# Altium PCB Slave.PcbDoc (part 1 of 11) (continued)
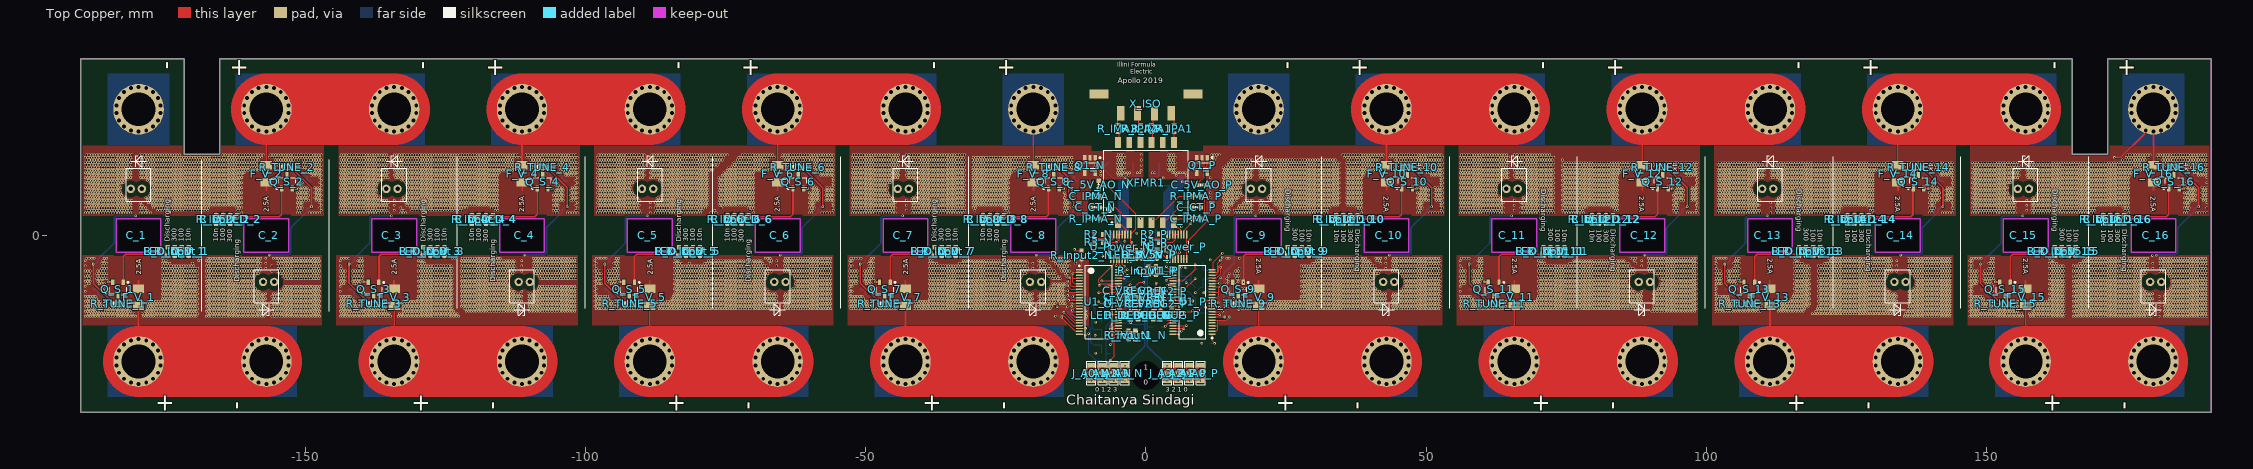
[diagram p0: Top Copper view]
## Components (designator, comment, footprint, x,y, rotation, side; value= is the part's Value field where it differs from the comment) (continued)
LED_D_12 "Discharging" LED-0603 83.3,2.85 r90 top (schematic designator LED_D)
LED_D_13 "Discharging" LED-0603 116.5,-2.85 r270 top (schematic designator LED_D)
LED_D_14 "Discharging" LED-0603 128.9,2.85 r90 top (schematic designator LED_D)
LED_D_15 "Discharging" LED-0603 162.1,-2.85 r270 top (schematic designator LED_D)
LED_D_16 "Discharging" LED-0603 174.5,2.85 r90 top (schematic designator LED_D)
LED_DEBUG_N "DEBUG" LED-0603 -2.7,-14.2 r90 top (schematic designator LED_DEBUG)
LED_DEBUG_P "DEBUG" LED-0603 2.6,-14.2 r270 top (schematic designator LED_DEBUG)
PTC_1 "PRF15BC102RB6RC" NTC-0603 -183.5,-11.2 r0 bottom (schematic designator PTC)
PTC_2 "PRF15BC102RB6RC" NTC-0603 -153.1,11.2 r180 bottom (schematic designator PTC)
PTC_3 "PRF15BC102RB6RC" NTC-0603 -137.9,-11.2 r0 bottom (schematic designator PTC)
PTC_4 "PRF15BC102RB6RC" NTC-0603 -107.5,11.2 r180 bottom (schematic designator PTC)
PTC_5 "PRF15BC102RB6RC" NTC-0603 -92.3,-11.2 r0 bottom (schematic designator PTC)
PTC_6 "PRF15BC102RB6RC" NTC-0603 -61.9,11.2 r180 bottom (schematic designator PTC)
PTC_7 "PRF15BC102RB6RC" NTC-0603 -46.7,-11.2 r0 bottom (schematic designator PTC)
PTC_8 "PRF15BC102RB6RC" NTC-0603 -16.3,11.2 r180 bottom (schematic designator PTC)
PTC_9 "PRF15BC102RB6RC" NTC-0603 16.3,-11.2 r0 bottom (schematic designator PTC)
PTC_10 "PRF15BC102RB6RC" NTC-0603 46.7,11.2 r180 bottom (schematic designator PTC)
PTC_11 "PRF15BC102RB6RC" NTC-0603 61.9,-11.2 r0 bottom (schematic designator PTC)
PTC_12 "PRF15BC102RB6RC" NTC-0603 92.3,11.2 r180 bottom (schematic designator PTC)
PTC_13 "PRF15BC102RB6RC" NTC-0603 107.5,-11.2 r0 bottom (schematic designator PTC)
PTC_14 "PRF15BC102RB6RC" NTC-0603 137.9,11.2 r180 bottom (schematic designator PTC)
PTC_15 "PRF15BC102RB6RC" NTC-0603 153.1,-11.2 r0 bottom (schematic designator PTC)
PTC_16 "PRF15BC102RB6RC" NTC-0603 183.5,11.2 r180 bottom (schematic designator PTC)
Q1_N "5V LDO" SOT23-5 -10,12.5 r270 top (schematic designator Q1)
Q1_P "5V LDO" SOT23-5 10,12.5 r270 top (schematic designator Q1)
Q2_N "NMOS-SOT23" SOT23 -1.9,-13.7 r270 bottom (schematic designator Q2)
Q2_P "NMOS-SOT23" SOT23 1.8,-9.7 r90 bottom (schematic designator Q2)
Q3_N "NPN BJT SOT223-4" SOT223 -4,4 r90 bottom (schematic designator Q3)
Q3_P "NPN BJT SOT223-4" SOT223 4,4 r90 bottom (schematic designator Q3)
Q_D_1 "IRLR110TRPBF" TO252 -180.341,-7.371 r90 bottom (schematic designator Q_D)
Q_D_2 "IRLR110TRPBF" TO252 -156.259,7.371 r270 bottom (schematic designator Q_D)
Q_D_3 "IRLR110TRPBF" TO252 -134.741,-7.371 r90 bottom (schematic designator Q_D)
Q_D_4 "IRLR110TRPBF" TO252 -110.659,7.371 r270 bottom (schematic designator Q_D)
Q_D_5 "IRLR110TRPBF" TO252 -89.141,-7.371 r90 bottom (schematic designator Q_D)
Q_D_6 "IRLR110TRPBF" TO252 -65.059,7.371 r270 bottom (schematic designator Q_D)
Q_D_7 "IRLR110TRPBF" TO252 -43.541,-7.371 r90 bottom (schematic designator Q_D)
Q_D_8 "IRLR110TRPBF" TO252 -19.459,7.371 r270 bottom (schematic designator Q_D)
Q_D_9 "IRLR110TRPBF" TO252 22.659,-7.471 r90 bottom (schematic designator Q_D)
Q_D_10 "IRLR110TRPBF" TO252 43.541,7.371 r270 bottom (schematic designator Q_D)
Q_D_11 "IRLR110TRPBF" TO252 65.059,-7.371 r90 bottom (schematic designator Q_D)
Q_D_12 "IRLR110TRPBF" TO252 89.141,7.371 r270 bottom (schematic designator Q_D)
Q_D_13 "IRLR110TRPBF" TO252 110.659,-7.371 r90 bottom (schematic designator Q_D)
Q_D_14 "IRLR110TRPBF" TO252 134.741,7.371 r270 bottom (schematic designator Q_D)
Q_D_15 "IRLR110TRPBF" TO252 156.259,-7.371 r90 bottom (schematic designator Q_D)
Q_D_16 "IRLR110TRPBF" TO252 180.341,7.371 r270 bottom (schematic designator Q_D)
Q_S_1 "BSS84-7-F" SOT23 -183.375,-9.575 r270 top (schematic designator Q_S)
Q_S_2 "BSS84-7-F" SOT23 -153.225,9.575 r90 top (schematic designator Q_S)
Q_S_3 "BSS84-7-F" SOT23 -137.775,-9.575 r270 top (schematic designator Q_S)
Q_S_4 "BSS84-7-F" SOT23 -107.625,9.575 r90 top (schematic designator Q_S)
Q_S_5 "BSS84-7-F" SOT23 -92.175,-9.575 r270 top (schematic designator Q_S)
Q_S_6 "BSS84-7-F" SOT23 -62.025,9.575 r90 top (schematic designator Q_S)
Q_S_7 "BSS84-7-F" SOT23 -46.575,-9.575 r270 top (schematic designator Q_S)
Q_S_8 "BSS84-7-F" SOT23 -16.425,9.575 r90 top (schematic designator Q_S)
Q_S_9 "BSS84-7-F" SOT23 16.425,-9.575 r270 top (schematic designator Q_S)
Q_S_10 "BSS84-7-F" SOT23 46.575,9.575 r90 top (schematic designator Q_S)
Q_S_11 "BSS84-7-F" SOT23 62.025,-9.575 r270 top (schematic designator Q_S)
Q_S_12 "BSS84-7-F" SOT23 92.175,9.575 r90 top (schematic designator Q_S)
Q_S_13 "BSS84-7-F" SOT23 107.625,-9.575 r270 top (schematic designator Q_S)
Q_S_14 "BSS84-7-F" SOT23 137.775,9.575 r90 top (schematic designator Q_S)
Q_S_15 "BSS84-7-F" SOT23 153.225,-9.575 r270 top (schematic designator Q_S)
Q_S_16 "BSS84-7-F" SOT23 183.375,9.575 r90 top (schematic designator Q_S)
R1_N "200" RES-0603#1 -0.75,9.65 r90 bottom (schematic designator R1)
R1_P "200" RES-0603#1 0.75,9.65 r90 bottom (schematic designator R1)
R2_N "1.2K" RES-0603#2 -8.5,0.184 r0 top value=? (schematic designator R2)
R2_P "1.2K" RES-0603#2 1.5,0.25 r0 top value=? (schematic designator R2)
R3_N "802" RES-0603#2 -8.5,-1.25 r180 top value=? (schematic designator R3)
R3_P "802" RES-0603#2 1.5,-1.25 r180 top value=? (schematic designator R3)
R4_N "1K" RES-0603#1 -7.15,-15.5 r0 bottom (schematic designator R4)
R4_P "1K" RES-0603#1 9.5,-9.25 r180 bottom (schematic designator R4)
R5_N "1K" RES-0603#1 -7.15,-18.25 r0 bottom (schematic designator R5)
R5_P "1K" RES-0603#1 9.5,-6.25 r180 bottom (schematic designator R5)
R6_N "1K" RES-0603#1 -7.15,-21 r0 bottom (schematic designator R6)
R6_P "1K" RES-0603#1 5.5,-10 r180 bottom (schematic designator R6)
R7_N "1K" RES-0603#1 -7.15,-23.75 r0 bottom (schematic designator R7)
R7_P "1K" RES-0603#1 5.5,-7.25 r180 bottom (schematic designator R7)
R8_N "200" RES-0603#1 -2,9.65 r90 bottom (schematic designator R8)
R8_P "200" RES-0603#1 2,9.65 r90 bottom (schematic designator R8)
R_5V_N "500" RES-0603#1 -0.593,-3.424 r270 top (schematic designator R_5V)
R_5V_P "500" RES-0603#1 1.889,-3.443 r270 top (schematic designator R_5V)
R_D_LED_1 "300" RES-0603#1 -173.25,-2.85 r270 top (schematic designator R_D_LED)
R_D_LED_2 "300" RES-0603#1 -163.35,2.85 r90 top (schematic designator R_D_LED)
R_D_LED_3 "300" RES-0603#1 -127.65,-2.85 r270 top (schematic designator R_D_LED)
R_D_LED_4 "300" RES-0603#1 -117.75,2.85 r90 top (schematic designator R_D_LED)
R_D_LED_5 "300" RES-0603#1 -82.05,-2.85 r270 top (schematic designator R_D_LED)
R_D_LED_6 "300" RES-0603#1 -72.15,2.85 r90 top (schematic designator R_D_LED)
R_D_LED_7 "300" RES-0603#1 -36.45,-2.85 r270 top (schematic designator R_D_LED)
R_D_LED_8 "300" RES-0603#1 -26.55,2.85 r90 top (schematic designator R_D_LED)
R_D_LED_9 "300" RES-0603#1 26.55,-2.85 r270 top (schematic designator R_D_LED)
R_D_LED_10 "300" RES-0603#1 36.45,2.85 r90 top (schematic designator R_D_LED)
R_D_LED_11 "300" RES-0603#1 72.15,-2.85 r270 top (schematic designator R_D_LED)
R_D_LED_12 "300" RES-0603#1 82.05,2.85 r90 top (schematic designator R_D_LED)
R_D_LED_13 "300" RES-0603#1 117.75,-2.85 r270 top (schematic designator R_D_LED)
R_D_LED_14 "300" RES-0603#1 127.65,2.85 r90 top (schematic designator R_D_LED)
R_D_LED_15 "300" RES-0603#1 163.35,-2.85 r270 top (schematic designator R_D_LED)
R_D_LED_16 "300" RES-0603#1 173.25,2.85 r90 top (schematic designator R_D_LED)
R_DEBUG_N "RES 500" RES-0603#1 -1.4,-14.25 r90 top (schematic designator R_DEBUG)
R_DEBUG_P "RES 500" RES-0603#1 1.3,-14.2 r270 top (schematic designator R_DEBUG)
R_DEBUG_PU_N "100K" RES-0603#1 -4.765,-13.117 r90 bottom (schematic designator R_DEBUG_PU)
R_DEBUG_PU_P "100K" RES-0603#1 4.75,-12.021 r90 bottom (schematic designator R_DEBUG_PU)
R_IMA1 "22" RES-0603#2 1,19.05 r270 top
R_IMA2 "22" RES-0603#2 -5,19.05 r270 top
R_Input1_N "RES 100" RES-0603#1 -1.9,-17.8 r270 top (schematic designator R_Input1)
R_Input1_P "RES 100" RES-0603#1 0.42,-6.31 r90 top (schematic designator R_Input1)
R_Input2_N "RES 100" RES-0603#1 -11.5,-3.5 r90 top (schematic designator R_Input2)
R_Input2_P "RES 100" RES-0603#1 10.75,-19.25 r180 bottom (schematic designator R_Input2)
R_Input_1 "100" RES-0603#1 -172,-2.85 r90 top (schematic designator R_Input)
R_Input_2 "100" RES-0603#1 -164.6,2.85 r270 top (schematic designator R_Input)
R_Input_3 "100" RES-0603#1 -126.4,-2.85 r90 top (schematic designator R_Input)
R_Input_4 "100" RES-0603#1 -119,2.85 r270 top (schematic designator R_Input)
R_Input_5 "100" RES-0603#1 -80.8,-2.85 r90 top (schematic designator R_Input)
R_Input_6 "100" RES-0603#1 -73.4,2.85 r270 top (schematic designator R_Input)
R_Input_7 "100" RES-0603#1 -35.2,-2.85 r90 top (schematic designator R_Input)
R_Input_8 "100" RES-0603#1 -27.8,2.85 r270 top (schematic designator R_Input)
R_Input_9 "100" RES-0603#1 27.8,-2.85 r90 top (schematic designator R_Input)
R_Input_10 "100" RES-0603#1 35.2,2.85 r270 top (schematic designator R_Input)
R_Input_11 "100" RES-0603#1 73.4,-2.85 r90 top (schematic designator R_Input)
R_Input_12 "100" RES-0603#1 80.8,2.85 r270 top (schematic designator R_Input)
R_Input_13 "100" RES-0603#1 119,-2.85 r90 top (schematic designator R_Input)
R_Input_14 "100" RES-0603#1 126.4,2.85 r270 top (schematic designator R_Input)
R_Input_15 "100" RES-0603#1 164.6,-2.85 r90 top (schematic designator R_Input)
R_Input_16 "100" RES-0603#1 172,2.85 r270 top (schematic designator R_Input)
R_IPA1 "22" RES-0603#2 5,19.05 r270 top
R_IPA2 "22" RES-0603#2 -1,19.05 r270 top
R_IPMA_N "402" RES-0603#1 -9,3 r180 top (schematic designator R_IPMA)
R_IPMA_P "402" RES-0603#1 9,7 r0 top (schematic designator R_IPMA)
R_SDI_PU_N "2K" RES-0603#1 -1.4,-6.25 r0 bottom (schematic designator R_SDI_PU)
R_SDI_PU_P "2K" RES-0603#1 2,-16.25 r180 bottom (schematic designator R_SDI_PU)
R_SDO_PU_N "2K" RES-0603#1 -1.4,-7.7 r0 bottom (schematic designator R_SDO_PU)
R_SDO_PU_P "2K" RES-0603#1 2,-14.9 r180 bottom (schematic designator R_SDO_PU)
R_Temp1_N "RES 100" RES-0603#1 -7.15,-22.25 r0 bottom (schematic designator R_Temp1)
R_Temp1_P "RES 100" RES-0603#1 5.5,-5.75 r180 bottom (schematic designator R_Temp1)
R_Temp2_N "RES 100" RES-0603#1 -7.15,-19.5 r0 bottom (schematic designator R_Temp2)
R_Temp2_P "RES 100" RES-0603#1 5.5,-8.5 r180 bottom (schematic designator R_Temp2)
R_Temp3_N "RES 100" RES-0603#1 -7.15,-16.75 r0 bottom (schematic designator R_Temp3)
R_Temp3_P "RES 100" RES-0603#1 9.5,-4.75 r180 bottom (schematic designator R_Temp3)
R_Temp4_N "RES 100" RES-0603#1 -7.15,-14 r0 bottom (schematic designator R_Temp4)
R_Temp4_P "RES 100" RES-0603#1 9.5,-7.75 r180 bottom (schematic designator R_Temp4)
R_TUNE_1 "4K" RES-0603#1 -183.325,-12.2 r0 top (schematic designator R_TUNE)
R_TUNE_2 "4K" RES-0603#1 -153.275,12.2 r180 top (schematic designator R_TUNE)
R_TUNE_3 "4K" RES-0603#1 -137.725,-12.2 r0 top (schematic designator R_TUNE)
R_TUNE_4 "4K" RES-0603#1 -107.675,12.2 r180 top (schematic designator R_TUNE)
R_TUNE_5 "4K" RES-0603#1 -92.125,-12.2 r0 top (schematic designator R_TUNE)
R_TUNE_6 "4K" RES-0603#1 -62.075,12.2 r180 top (schematic designator R_TUNE)
R_TUNE_7 "4K" RES-0603#1 -46.525,-12.2 r0 top (schematic designator R_TUNE)
R_TUNE_8 "4K" RES-0603#1 -16.475,12.2 r180 top (schematic designator R_TUNE)
R_TUNE_9 "4K" RES-0603#1 16.475,-12.2 r0 top (schematic designator R_TUNE)
R_TUNE_10 "4K" RES-0603#1 46.525,12.2 r180 top (schematic designator R_TUNE)
R_TUNE_11 "4K" RES-0603#1 62.075,-12.2 r0 top (schematic designator R_TUNE)
R_TUNE_12 "4K" RES-0603#1 92.125,12.2 r180 top (schematic designator R_TUNE)
R_TUNE_13 "4K" RES-0603#1 107.675,-12.2 r0 top (schematic designator R_TUNE)
R_TUNE_14 "4K" RES-0603#1 137.725,12.2 r180 top (schematic designator R_TUNE)
R_TUNE_15 "4K" RES-0603#1 153.275,-12.2 r0 top (schematic designator R_TUNE)
R_TUNE_16 "4K" RES-0603#1 183.325,12.2 r180 top (schematic designator R_TUNE)
U1_N "LT-LTC6811-2-G-48" SSOP-48N -8.4,-11.85 r0 top (schematic designator U1)
U1_P "LT-LTC6811-2-G-48" SSOP-48N 8.3,-11.85 r180 top (schematic designator U1)
U_Power_N "IC-MSOP16_LTC6820" MSOP16 -4.5,-2 r90 top (schematic designator U_Power)
U_Power_P "IC-MSOP16_LTC6820" MSOP16 5.5,-2 r90 top (schematic designator U_Power)
X_ISO "Molex - Micro-Fit 3.0 Series connector,  3.00mm (0.118\") pitch header, 4 positions." 43650-0424 0,25.2 r180 top
XFMR1 "CTCM_XFMR-HM2112NL" HM2112NL 0,9.423 r90 top

## Footprints (in the part's own frame and the unit in brackets; to place one, negate y for a bottom-side part, rotate by r counter-clockwise, add the part's x,y. Pads: shape width x height; smd on the part's side, far side on the other; paste and mask are expansions set on the pad)
43650-0424 [mm]
  rect 1.27x2.54 smd: P$1(4.5,3.43) P$2(1.5,3.43) P$3(-1.5,3.43) P$4(-4.5,3.43)
  rect 3.43x1.65 smd: TAB1(8.39,0) TAB2(-8.39,0)
  body extent -9.82,-2.47 9.83,4.1, height 9.95
CAP-0603 [mm]
  rect 0.8x0.75 smd: 1(-0.75,0) 2(0.75,0)
  silkscreen extent -0.3,-0.2 0.3,0.2, body extent -0.8,-0.4 0.8,0.42, height 0.81
CAPCP3216X16N [mm] "Chip Capacitor, 2-Leads, Body 3.20x1.60mm, IPC Medium Density"
  rect 1.2x1.2 smd: 1(-1.5,0) 2(1.5,0)
  silkscreen extent -2.4,0.9 -2.2,1.1, body extent -1.7,-0.9 1.7,0.9, height 1.7
"DPDT Solder" [mm]
  rrect20% 0.8x1.4 smd mask+0: 1(-1.4,0) 2(1.4,0)
  rrect20% 1.3x1.3 smd rot 45 mask+0: 3(0,0)
  Top Copper region: -1.75,0.7 -0.45,0.7 -1,0.15 -1,-0.175 -0.475,-0.7 -1.75,-0.7
  Top Copper region: 1.75,-0.7 0.45,-0.7 1,-0.15 1,0.175 0.475,0.7 1.75,0.7
  silkscreen extent -2.1,-0.8 2.1,0.8
FUSE1206 [mm]
  rect 1.52x2.03 smd: 1(-1.52,0) 2(1.52,0)
  body extent -1.7,-0.9 1.7,0.9, height 1.17
HM2112NL [mm]
  rect 1.9x1.02 smd: 1(-7.15,5) 2(-7.15,3) 3(-7.15,1) 4(-7.15,-1) 5(-7.15,-3) 6(-7.15,-5) 7(7.15,-5) 8(7.15,-3) 9(7.15,-1) 10(7.15,1) 11(7.15,3) 12(7.15,5)
  silkscreen extent -7.27,-7.5 5.8,7.5, body extent -7.75,-7.5 7.75,7.5, height 3.45
LED-0603 [mm]
  rect 0.8x0.75 smd: A(-0.75,0) K(0.75,0)
  silkscreen extent 0,-0.4 0.8,0.4, body extent -0.8,-0.4 0.8,0.4, height 0.53
Li1x7pVTC6T [mm]
  round 9 / inner round 7.5 / far side round 13 hole 6: +(0,22.5)
  round 9 / inner round 7 / far side round 13 hole 6: -(0,-22.5)
  round 1.5 hole 0.8: T+(1.4,-8.3) T-(-0.6,-8.3)
  Bottom Copper region: -5.5,-28.85 5.5,-28.85 5.5,-16.15 -5.5,-16.15
  Bottom Copper region: -5.5,16.15 5.5,16.15 5.5,28.85 -5.5,28.85
  Keep-Out Layer board cut-out: -4,3 4,3 4,-3 -4,-3
  Keep-Out Layer region: -4,-3 4,-3 4,3 -4,3
  silkscreen extent -2.2,-14.25 2.2,-6.1, body extent -2.2,-12.05 2.2,-6.15, height 2.93
MSOP16 [mil]
  rect 55x11 smd: 1(-86,68.95) 2(-86,49.25) 3(-86,29.55) 4(-86,9.85) 5(-86,-9.85) 6(-86,-29.55) 7(-86,-49.25) 8(-86,-68.95) 9(86,-68.95) 10(86,-49.25) 11(86,-29.55) 12(86,-9.85) 13(86,9.85) 14(86,29.55) 15(86,49.25) 16(86,68.95)
  silkscreen extent -39,-82 39,82, body extent -99,-81 100,82, height 43
NTC-0603 [mm]
  rect 0.8x0.75 smd: 1(-0.75,0) 2(0.75,0)
  silkscreen extent -0.8,-0.4 0.8,0.4, body extent -0.8,-0.4 0.8,0.42, height 0.81
RES-0603#1 [mm]
  rect 0.8x0.75 smd: 1(-0.75,0) 2(0.75,0)
  body extent -0.8,-0.4 0.8,0.4, height 0.44
RES-0603#2 [mm] "Chip Resistor, 2-Leads, Body 1.58x0.85mm, IPC Medium Density"
  rect 0.5x0.9 smd: 1(-0.75,0) 2(0.75,0)
  body extent -0.82,-0.48 0.82,0.48, height 0.5
SMB [mm]
  rect 2.159x2.743 smd: A(2.21,0) K(-2.21,0)
  silkscreen extent -3.9,-1.5 -3.9,1.5, body extent -2.79,-1.97 2.8,1.97, height 2.5
SOT23 [mm] "SOT23, 3-Leads, Body 2.90x2.37mm, Pitch 0.95mm, IPC Medium Density"
  rect 1x0.6 smd: 1(-1.2,0.95) 2(-1.2,-0.95) 3(1.2,0)
  silkscreen extent -1.32,-1.55 0.7,1.92, body extent -1.32,-1.52 1.32,1.53, height 1.11
SOT23-5 [mm]
  rect 1x0.6 smd: 1(-1.375,0.95) 2(-1.375,0) 3(-1.375,-0.95) 4(1.375,-0.95) 5(1.375,0.95)
  silkscreen extent -1.5,-1.55 0.5,1.93, body extent -1.5,-1.53 1.5,1.53, height 1.45
SOT223 [mm] "SOT223, 4-Leads, Body 6.50x7.00mm (avg), Pitch 2.30mm, IPC Medium Density"
  rect 2.15x1 smd: 1(-2.925,2.3) 2(-2.925,0) 3(-2.925,-2.3)
  rect 2.15x3.25 smd: 4(2.925,0)
  silkscreen extent -3.05,-3.35 1.55,3.48, body extent -3.5,-3.35 3.5,3.35, height 1.8
SSOP-48N [mm]
  oval 1.25x0.25 smd: 1(-3.5,5.75) 2(-3.5,5.25) 3(-3.5,4.75) 4(-3.5,4.25) 5(-3.5,3.75) 6(-3.5,3.25) 7(-3.5,2.75) 8(-3.5,2.25) 9(-3.5,1.75) 10(-3.5,1.25) 11(-3.5,0.75) 12(-3.5,0.25) 13(-3.5,-0.25) 14(-3.5,-0.75) 15(-3.5,-1.25) 16(-3.5,-1.75) 17(-3.5,-2.25) 18(-3.5,-2.75) 19(-3.5,-3.25) 20(-3.5,-3.75) 21(-3.5,-4.25) 22(-3.5,-4.75) 23(-3.5,-5.25) 24(-3.5,-5.75) 25(3.5,-5.75) 26(3.5,-5.25) 27(3.5,-4.75) 28(3.5,-4.25) 29(3.5,-3.75) 30(3.5,-3.25) 31(3.5,-2.75) 32(3.5,-2.25) 33(3.5,-1.75) 34(3.5,-1.25) 35(3.5,-0.75) 36(3.5,-0.25) 37(3.5,0.25) 38(3.5,0.75) 39(3.5,1.25) 40(3.5,1.75) 41(3.5,2.25) 42(3.5,2.75) 43(3.5,3.25) 44(3.5,3.75) 45(3.5,4.25) 46(3.5,4.75) 47(3.5,5.25) 48(3.5,5.75)
  silkscreen extent -3.62,-6.55 2.4,6.55, body extent -3.9,-6.55 3.9,6.55, height 2
TO252 [mm]
  rect 1.2x2.2 smd: 1(-2.279,-7.409) 3(2.321,-7.409)
  rect 6.35x7.62 smd: 2(0.021,-0.009)
  silkscreen extent -3.2,-5.1 3.3,0.6, body extent -3.22,-7.29 3.28,1.41, height 2.3

## Part data
C_1 C_2 C_3 C_4 C_5 C_6 C_7 C_8 C_9 C_10 C_11 C_12 C_13 C_14 C_15 C_16: library part Li1x7pVTC6T
C_5V_AO_N C_5V_AO_P C_CT_N C_CT_P C_IPMA_N C_IPMA_P C_Temp1_N C_Temp1_P C_Temp2_N C_Temp2_P C_Temp3_N C_Temp3_P C_Temp4_N C_Temp4_P C_V1_N C_V1_P C_V_1 C_V_2 C_V_3 C_V_4 C_V_5 C_V_6 C_V_7 C_V_8 C_V_9 C_V_10 C_V_11 C_V_12 C_V_13 C_V_14 C_V_15 C_V_16 C_VREF1_N C_VREF1_P C_VREF2_N C_VREF2_P C_VREG1_N C_VREG1_P C_VREG2_N C_VREG2_P: library part CAP-0603, "CAP-0603"
D1_N D1_P: library part DIODE-SMB
F_V_1 F_V_2 F_V_3 F_V_4 F_V_5 F_V_6 F_V_7 F_V_8 F_V_9 F_V_10 F_V_11 F_V_12 F_V_13 F_V_14 F_V_15 F_V_16: library part FUSE-1206
J_A0_N J_A0_P J_A1_N J_A1_P J_A2_N J_A2_P J_A3_N J_A3_P: library part "DPDT Solder"
LED_5V_N LED_5V_P LED_D_1 LED_D_2 LED_D_3 LED_D_4 LED_D_5 LED_D_6 LED_D_7 LED_D_8 LED_D_9 LED_D_10 LED_D_11 LED_D_12 LED_D_13 LED_D_14 LED_D_15 LED_D_16 LED_DEBUG_N LED_DEBUG_P: library part LED-0603, "LED-0603"
PTC_1 PTC_2 PTC_3 PTC_4 PTC_5 PTC_6 PTC_7 PTC_8 PTC_9 PTC_10 PTC_11 PTC_12 PTC_13 PTC_14 PTC_15 PTC_16: library part NTC-0603
Q1_N Q1_P: library part LDO-SOT23-TPS7B69
Q3_N Q3_P: library part NPN_SOT223-4, "BCP54,115"
Q_D_1 Q_D_2 Q_D_3 Q_D_4 Q_D_5 Q_D_6 Q_D_7 Q_D_8 Q_D_9 Q_D_10 Q_D_11 Q_D_12 Q_D_13 Q_D_14 Q_D_15 Q_D_16: library part NMOS-TO252, Package=TO252, DeviceSetName=DMP10H400SK3-13, GateName_1=G$1, LibraryName=IFE_Transistors, SymbolName_1=LABELED-PMOS
Q_S_1 Q_S_2 Q_S_3 Q_S_4 Q_S_5 Q_S_6 Q_S_7 Q_S_8 Q_S_9 Q_S_10 Q_S_11 Q_S_12 Q_S_13 Q_S_14 Q_S_15 Q_S_16: library part PMOS-SOT23
R1_N R1_P R4_N R4_P R5_N R5_P R6_N R6_P R7_N R7_P R8_N R8_P R_5V_N R_5V_P R_D_LED_1 R_D_LED_2 R_D_LED_3 R_D_LED_4 R_D_LED_5 R_D_LED_6 R_D_LED_7 R_D_LED_8 R_D_LED_9 R_D_LED_10 R_D_LED_11 R_D_LED_12 R_D_LED_13 R_D_LED_14 R_D_LED_15 R_D_LED_16 R_DEBUG_N R_DEBUG_P R_DEBUG_PU_N R_DEBUG_PU_P R_IMA1 R_IMA2 R_Input1_N R_Input1_P R_Input2_N R_Input2_P R_Input_1 R_Input_2 R_Input_3 R_Input_4 R_Input_5 R_Input_6 R_Input_7 R_Input_8 R_Input_9 R_Input_10 R_Input_11 R_Input_12 R_Input_13 R_Input_14 R_Input_15 R_Input_16 R_IPA1 R_IPA2 R_IPMA_N R_IPMA_P R_SDI_PU_N R_SDI_PU_P R_SDO_PU_N R_SDO_PU_P R_Temp1_N R_Temp1_P R_Temp2_N R_Temp2_P R_Temp3_N R_Temp3_P R_Temp4_N R_Temp4_P R_TUNE_1 R_TUNE_2 R_TUNE_3 R_TUNE_4 R_TUNE_5 R_TUNE_6 R_TUNE_7 R_TUNE_8 R_TUNE_9 R_TUNE_10 R_TUNE_11 R_TUNE_12 R_TUNE_13 R_TUNE_14 R_TUNE_15 R_TUNE_16: library part RES-0603
R2_N R2_P R3_N R3_P: library part RES_0603, "RES SMD 0603", Package=0603, Company=IFE, Part=RES_0603
X_ISO: library part POS4_MF43650-0424, Package=43650-0424, DeviceName=43650-0424, DeviceSetName=HEADER_POS4_?, GateName_1=G$1, LibraryName="MOLEX Micro-Fit", SymbolName_1=HEADER_POS4

## Free pads (board coordinates)
  round 3 hole 5.105 unplated: 2(0,-25)

## Via types
v1: diameter 0.45, hole 0.297, Top Copper to Bottom Copper, tented both sides, 23326 vias
v2: diameter 1, hole 0.7, Top Copper to Bottom Copper, 576 vias
v3: diameter 0.45, hole 0.2, Top Copper to Bottom Copper, 259 vias

## Nets (pads, with @x,y where several pads share a name; then routed paths per layer and width w, separated by ;. In a path a pad name is that pad's centre, name@x,y a point inside that pad or via, vN(x,y) a via of type N, cw(c..) or ccw(c..) an arc to the next point about the centre after c; other vN are vias at no path point)
5V_AO_N: C_5V_AO_N.1 Q1_N.5 U_Power_N.6 U_Power_N.7 U_Power_N.8 U_Power_N.9 | length 19.8
  Top Copper w0.102: Q1_N.5@-9.05,11.125 -9.05,10.934 -8.801,10.685 -8.678,10.685 -1.821,3.828 -1.821,1.112 -2.516,0.417 -2.66,0.417 -2.749,0.328 U_Power_N.9@-2.749,0.184 U_Power_N.8@-2.749,-4.184 U_Power_N.7@-3.249,-4.184 U_Power_N.6@-3.749,-4.184
5V_AO_P: C_5V_AO_P.1 Q1_P.5 U_Power_P.6 U_Power_P.7 U_Power_P.8 U_Power_P.9 | length 19.2
  Top Copper w0.102: U_Power_P.6@6.251,-4.184 U_Power_P.7@6.751,-4.184 U_Power_P.8@7.251,-4.184 7.251,-1.181 ; U_Power_P.9@7.251,0.184 7.251,-1.181 ; Q1_P.5@10.95,11.125 10.95,2.517 7.251,-1.181
5V_N: C_VREG1_N.2 C_VREG2_N.2 J_A0_N.2 J_A1_N.2 J_A2_N.2 J_A3_N.2 LED_5V_N.A LED_DEBUG_N.A Q3_N.3 R4_N.2 R5_N.2 R6_N.2 R7_N.2 R_DEBUG_PU_N.1 R_SDI_PU_N.2 R_SDO_PU_N.2 U1_N.37 | length 61.9
  Top Copper w0.102: J_A0_N.2@-9.75,-23.15 -9.65,-23.25 v3(-3.75,-23.25) ; U1_N.37@-4.9,-11.6 -4.44,-11.6 -4.372,-11.531 -4.372,-11.522 -3.099,-10.249 -3.099,-10.224 -2.775,-9.9 C_VREG2_N.2@-2.75,-9.9 -2.725,-9.9 -2.401,-9.576 -2.401,-9.551 -1.215,-8.365 v3(-0.4,-8.365) ; v3(-2.75,-15.552) -2.75,-15 LED_DEBUG_N.A@-2.7,-14.95 ; v3(-2.057,-2.896) -1.836,-2.674 LED_5V_N.A@-1.821,-2.674 -1.821,-2.699 LED_5V_N.A@-1.52,-3
  Bottom Copper w0.102: R7_N.2@-6.4,-23.75 -6.425,-23.75 -6.749,-23.426 -6.749,-23.401 -7.087,-23.063 -7.087,-20.94 ; R6_N.2@-6.4,-21 -7.027,-21 -7.087,-20.94 ; R5_N.2@-6.4,-18.25 -7.063,-18.25 -7.087,-18.273 ; R5_N.2@-6.051,-17.926 R5_N.2@-6.051,-17.901 ; R_DEBUG_PU_N.1@-4.765,-13.867 -4.626,-14.006 -4.297,-14.006 v3(-2.75,-15.552) ; -0.25,-15.85 -2.453,-15.85 v3(-2.75,-15.552) ; -7.087,-20.94 -7.087,-18.273 ; -7.087,-18.273 -7.087,-16.187 -6.749,-15.849 -6.749,-15.824 -6.425,-15.5 R4_N.2@-6.4,-15.5 -6.348,-15.552 v3(-2.75,-15.552)
  Bottom Copper w0.254: Q3_N.3@-6.3,1.075 -6.579,0.796 -2.887,-2.896 v3(-2.057,-2.896) -1.62,-2.896 -0.25,-4.266 -0.25,-15.85 -0.25,-19.767 v3@-3.742,-23.258
5V_P: C_VREG1_P.2 C_VREG2_P.2 J_A0_P.2 J_A1_P.2 J_A2_P.2 J_A3_P.2 LED_5V_P.A LED_DEBUG_P.A Q3_P.3 R4_P.2 R5_P.2 R6_P.2 R7_P.2 R_DEBUG_PU_P.1 R_SDI_PU_P.2 R_SDO_PU_P.2 U1_P.37 | length 59.9
  Top Copper w0.102: LED_5V_P.A@0.613,-2.718 LED_5V_P.A@0.613,-2.693 ; LED_DEBUG_P.A@2.6,-13.45 2.65,-13.5 v3(3.1,-13.5) ; LED_DEBUG_P.A@2.65,-13.4 C_VREG2_P.2@2.65,-12.2 4.166,-12.2 4.266,-12.1 U1_P.37@4.8,-12.1 ; v3(3.75,-23.25) 9.65,-23.25 J_A0_P.2@9.75,-23.15
  Bottom Copper w0.102: 0.25,-16.25 R_SDI_PU_P.2@1.25,-16.25 ; 0.25,-15 0.35,-14.9 R_SDO_PU_P.2@1.25,-14.9 ; 0.25,-13.4 0.35,-13.5 v3(3.1,-13.5) 4.021,-13.5 4.401,-13.121 4.426,-13.121 4.75,-12.796 R_DEBUG_PU_P.1@4.75,-12.771 ; 0.25,-9.4 4.15,-9.4 4.401,-9.651 4.401,-9.676 4.725,-10 R6_P.2@4.75,-10 4.775,-10 5.099,-9.676 5.099,-9.651 5.4,-9.35 5.4,-7.9 ; R7_P.2@4.75,-7.25 4.775,-7.25 5.099,-7.574 5.099,-7.599 5.4,-7.9 ; R4_P.2@8.75,-9.25 8.725,-9.25 8.401,-8.926 8.401,-8.901 8.1,-8.6 8.1,-7.8 ; R5_P.2@9.099,-5.901 9.099,-5.926 8.775,-6.25 R5_P.2@8.75,-6.25 8.725,-6.25 8.401,-6.574 8.401,-6.599 8.1,-6.9 8.1,-7.8 ; 5.4,-7.9 8,-7.9 8.1,-7.8
  Bottom Copper w0.254: v3(0.584,-2.565) 1.041,-2.108 1.7,-2.108 ; Q3_P.3@1.7,1.075 1.7,-2.108 ; C_VREG1_P.2@2.25,-3.599 C_VREG1_P.2@2.225,-3.599 ; v3(3.75,-23.25) 0.25,-19.75 0.25,-16.25 0.25,-15 0.25,-13.4 0.25,-9.4 0.25,-5.599 1.977,-3.872 1.977,-3.847 C_VREG1_P.2@2.225,-3.599 ; 1.7,-2.108 1.7,-3.049 1.977,-3.326 1.977,-3.351 C_VREG1_P.2@2.225,-3.599
CSB_N: U1_N.41 U_Power_N.5 | length 8.1
  Top Copper w0.102: v3(-6.6,-9.2) -6.2,-9.6 U1_N.41@-4.9,-9.6 ; U_Power_N.5@-4.25,-4.184 -4.25,-5.15 v3(-3.9,-5.5)
  Signal Layer 1 w0.102: v3(-6.6,-9.2) -6.6,-8.2 v3(-3.9,-5.5)
CSB_P: U1_P.41 U_Power_P.5 | length 14.9
  Top Copper w0.102: U1_P.41@4.8,-14.1 4.828,-14.072 v3(6.842,-14.072) ; U_Power_P.5@5.75,-4.184 5.75,-3.25 v3(6,-3)
  Signal Layer 1 w0.102: v3(6,-3) 6,-5.441 5.923,-5.519 5.923,-5.831 6,-5.909 6,-13.4 6.672,-14.072 v3(6.842,-14.072)
DRIVE_N: Q3_N.1 U1_N.38 | length 13.4
  Top Copper w0.102: U1_N.38@-4.9,-11.1 -4.887,-11.087 -4.224,-11.087 -3.669,-10.531 -3.669,-9.369 -3.1,-8.8 v3(-2.8,-8.8)
  Signal Layer 2 w0.102: v3(-2.8,-8.8) -1.651,-7.651 v3(-1.651,0.417)
DRIVE_P: Q3_P.1 U1_P.38 | length 17
  Top Copper w0.102: v3(3.8,-12.6) U1_P.38@4.8,-12.6
  Signal Layer 2 w0.102: v3(3.8,-12.6) 2.8,-11.6 2.8,-3.3 6.32,0.22 v3(6.32,1.549)